# Altium PCB sommotor.PcbDoc (part 1 of 3) (continued)
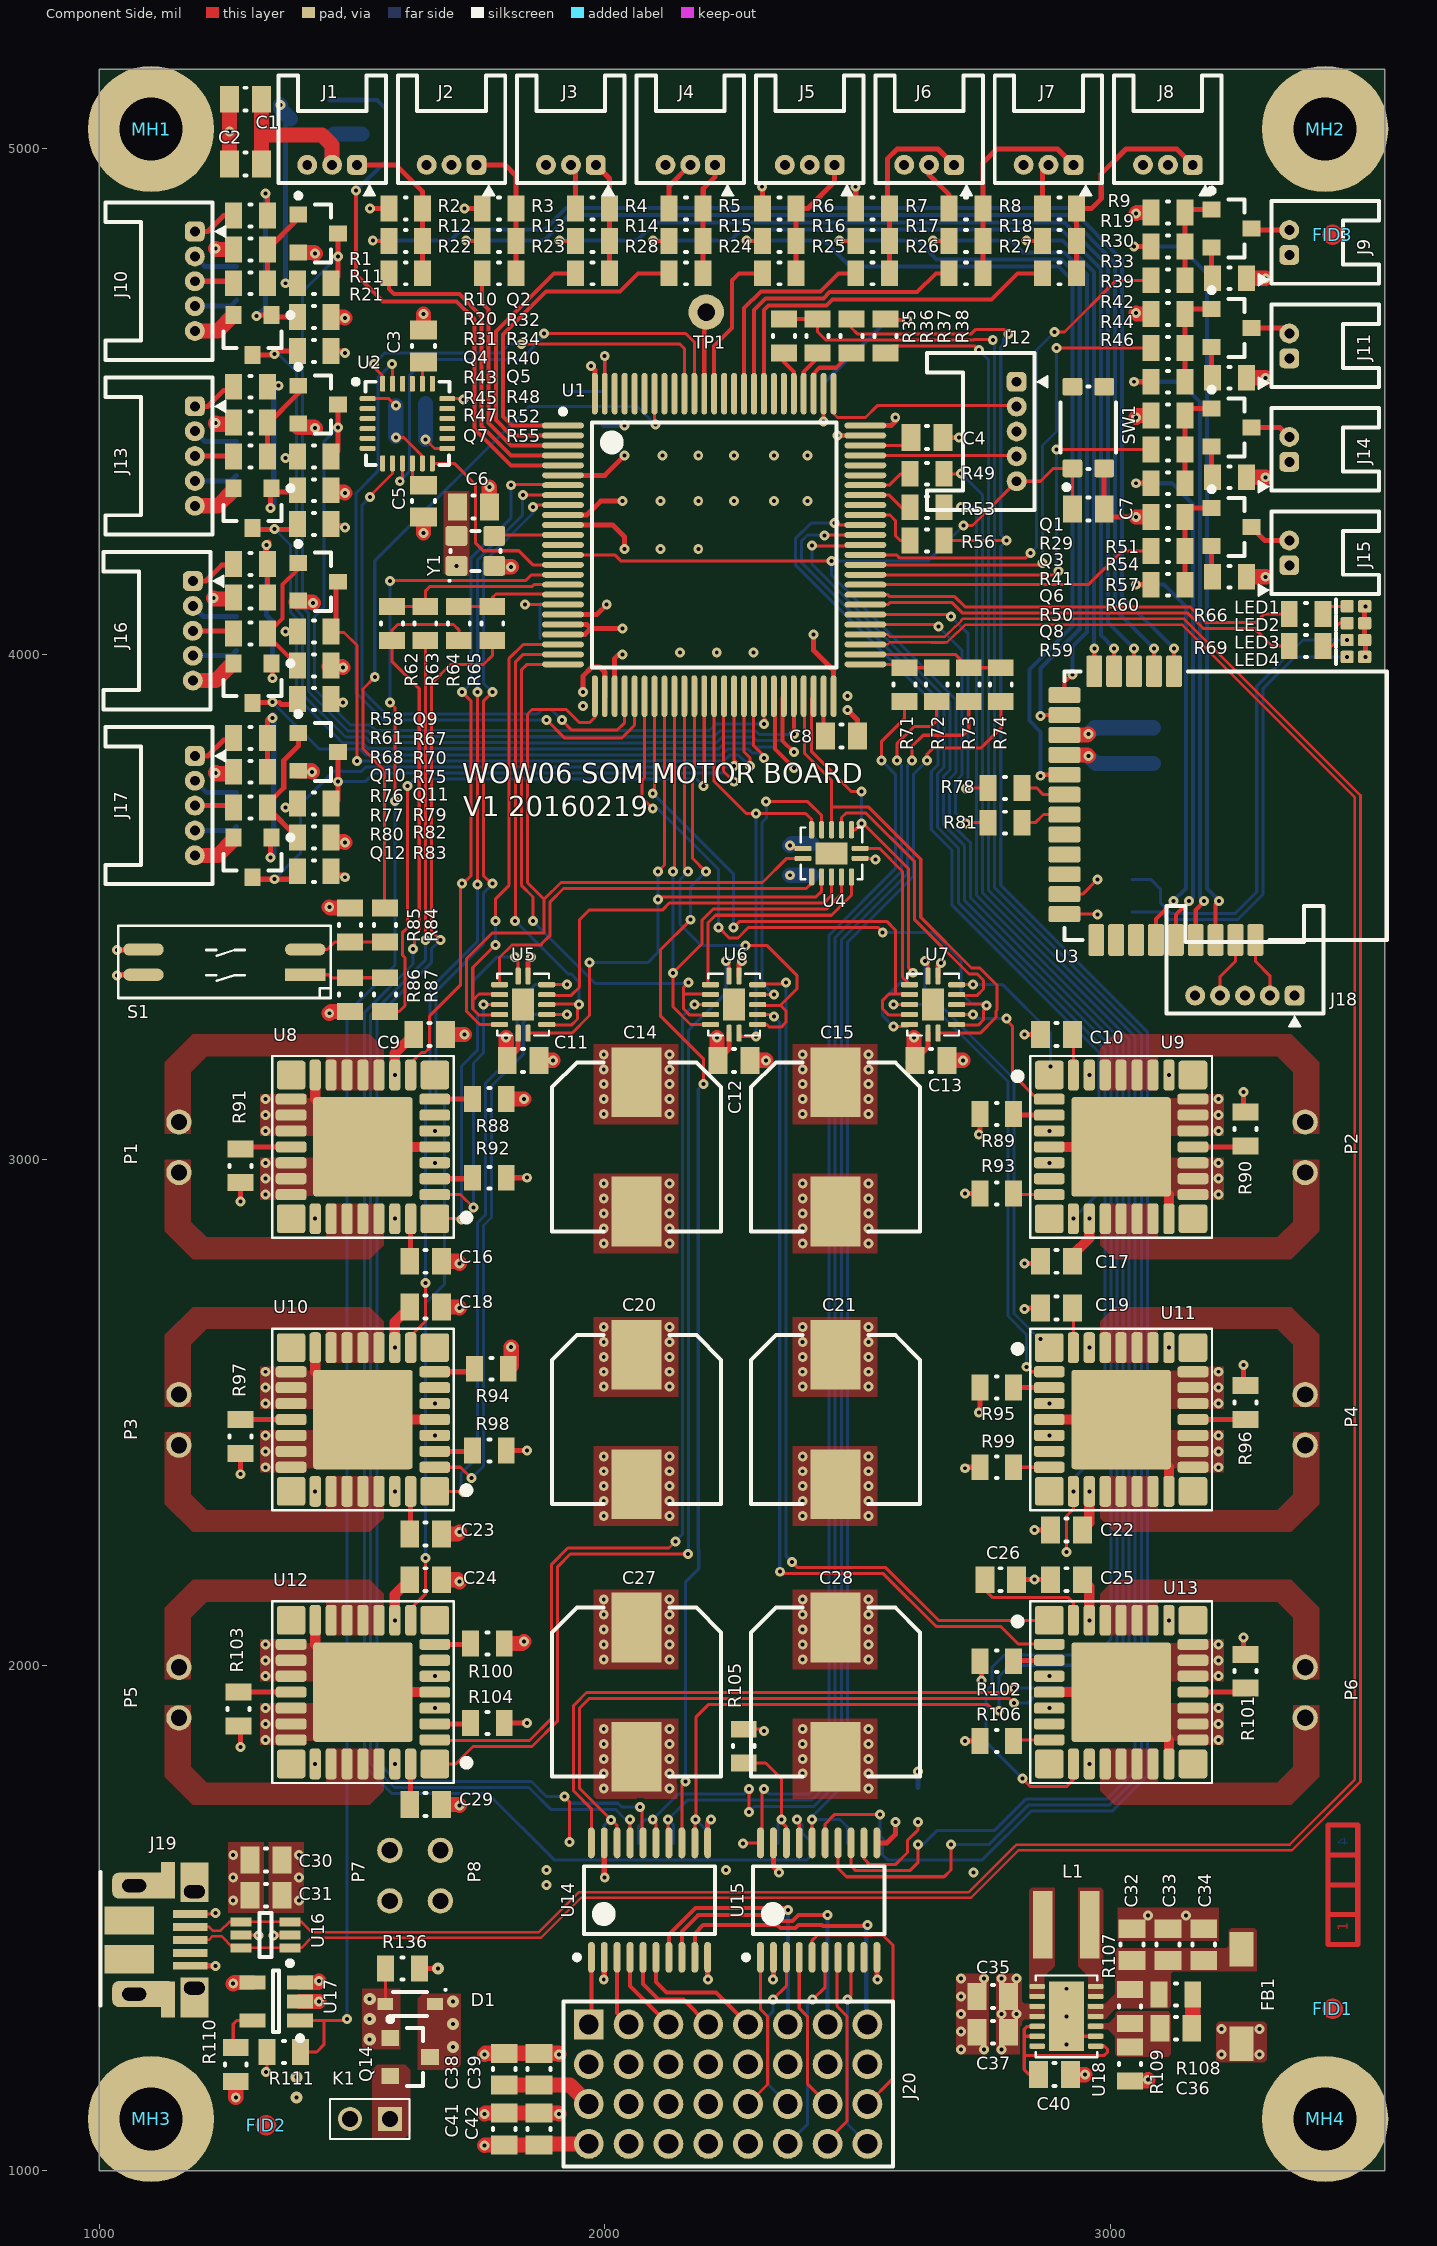
[diagram p0: Component Side view]
## Components (designator, comment, footprint, x,y, rotation, side; value= is the part's Value field where it differs from the comment) (continued)
C54 "CAP 100nF 6.3V 0805(2012)" CAPC0805(2012)100_L 2148.48,4242.13 r270 bottom (schematic designator C13)
C55 "CAP 1uF 6.3V 0805(2012)" CAPC0805(2012)100_L 2075.37,4242.13 r270 bottom (schematic designator C19)
C56 "CAP 100nF 6.3V 0805(2012)" CAPC0805(2012)100_L 2002.25,4242.13 r90 bottom (schematic designator C26)
C57 "CAP 100nF 6.3V 0805(2012)" CAPC0805(2012)100_L 2221.6,4070.87 r90 bottom (schematic designator C30)
C58 "CAP 100nF 6.3V 0805(2012)" CAPC0805(2012)100_L 2148.48,4070.87 r90 bottom (schematic designator C29)
C59 "CAP 100nF 6.3V 0805(2012)" CAPC0805(2012)100_L 2075.37,4070.87 r90 bottom (schematic designator C15)
C60 "CAP 1uF 6.3V 0805(2012)" CAPC0805(2012)100_L 2002.25,4070.87 r90 bottom (schematic designator C14)
C61 "CAP 1uF 6.3V 0805(2012)" CAPC0805(2012)100_L 2367.83,4070.87 r270 bottom (schematic designator C22)
C62 "CAP 1uF 6.3V 0805(2012)" CAPC0805(2012)100_L 2294.71,4070.87 r270 bottom (schematic designator C21)
C63 "CAP 1uF 6.3V 0805(2012)" CAPC0805(2012)100_L 2075.37,3946.85 r90 bottom (schematic designator C23)
C64 "CAP 100nF 6.3V 0805(2012)" CAPC0805(2012)100_L 2002.25,3946.85 r270 bottom (schematic designator C31)
C65 "CAP 1uF 6.3V 0805(2012)" CAPC0805(2012)100_L 2367.83,3937.01 r90 bottom (schematic designator C16)
C66 "CAP 100nF 6.3V 0805(2012)" CAPC0805(2012)100_L 2440.94,3937.01 r270 bottom (schematic designator C32)
C67 "CAP 100nF 6.3V 0805(2012)" CAPC0805(2012)100_N 3085.98,3819.33 r270 bottom (schematic designator C34)
C68 "CAP 10uF 6.3V 0805(2012)" CAPC0805(2012)100_N 3010,3819.33 r90 bottom (schematic designator C33)
C69 "CAP 100nF 6.3V 0805(2012)" CAPC0805(2012)100_L 2409.45,3594.49 r90 bottom (schematic designator C70)
D1 "BAT60A" INF-SOD323_V 1615,1330 r270 top
FB1 "BLM41PG750SN1L" MURA-BLM41-B35-CHIP-2_V2 3259.84,1344.76 r270 top
FID1 "FIDUCIAL" FIDUCIAL 3440,1320 r0 top
FID2 "FIDUCIAL" FIDUCIAL 1330,1090 r90 top
FID3 "FIDUCIAL" FIDUCIAL 3440,4830 r90 top
J1 "DF13-3P-1.25DS(20)" HRS_DF13-3P-1.25DS(20) 1460.63,5039.37 r180 top (schematic designator J4)
J2 "DF13-3P-1.25DS(20)" HRS_DF13-3P-1.25DS(20) 1696.85,5039.37 r180 top (schematic designator J5)
J3 "DF13-3P-1.25DS(20)" HRS_DF13-3P-1.25DS(20) 1933.07,5039.37 r180 top (schematic designator J6)
J4 "DF13-3P-1.25DS(20)" HRS_DF13-3P-1.25DS(20) 2169.29,5039.37 r180 top (schematic designator J7)
J5 "DF13-3P-1.25DS(20)" HRS_DF13-3P-1.25DS(20) 2405.51,5039.37 r180 top (schematic designator J12)
J6 "DF13-3P-1.25DS(20)" HRS_DF13-3P-1.25DS(20) 2641.73,5039.37 r180 top (schematic designator J18)
J7 "DF13-3P-1.25DS(20)" HRS_DF13-3P-1.25DS(20) 2877.95,5039.37 r180 top (schematic designator J19)
J8 "DF13-3P-1.25DS(20)" HRS_DF13-3P-1.25DS(20) 3114.17,5039.37 r180 top (schematic designator J20)
J9 "DF13-2P-1.25DS(20)" HRS_DF13-2P-1.25DS(20) 3425.2,4814.96 r90 top (schematic designator J8)
J10 "DF13-5P-1.25DS(20)" HRS_DF13-5P-1.25DS(20) 1188.98,4836.61 r270 top (schematic designator J13)
J11 "DF13-2P-1.25DS(20)" HRS_DF13-2P-1.25DS(20) 3425.2,4610.24 r90 top (schematic designator J9)
J12 "DF13-5P-1.25DS(20)" HRS_DF13-5P-1.25DS(20) 2814.96,4539.37 r270 top (schematic designator J2)
J13 "DF13-5P-1.25DS(20)" HRS_DF13-5P-1.25DS(20) 1188.98,4490.81 r270 top (schematic designator J14)
J14 "DF13-2P-1.25DS(20)" HRS_DF13-2P-1.25DS(20) 3425.2,4405.51 r90 top (schematic designator J10)
J15 "DF13-2P-1.25DS(20)" HRS_DF13-2P-1.25DS(20) 3425.2,4200.79 r90 top (schematic designator J11)
J16 "DF13-5P-1.25DS(20)" HRS_DF13-5P-1.25DS(20) 1185.04,4145.01 r270 top (schematic designator J15)
J17 "DF13-5P-1.25DS(20)" HRS_DF13-5P-1.25DS(20) 1188.98,3799.21 r270 top (schematic designator J16)
J18 "DF13-5P-1.25DS(20)" HRS_DF13-5P-1.25DS(20) 3365,3325 r180 top (schematic designator J3)
J19 "MICRO-USB" USB_MICRO_B_SMT 1068.9,1456.69 r270 top locked (schematic designator J1)
J20 "SQT-108-01-L-Q" SMTC-SQT-108-01-X-Q 1968.5,1289.37 r0 top locked (schematic designator J17)
K1 "JMPR2-2MM" JMPR2-2MM 1574.8,1102.36 r90 top
L1 "XFL4020-TBD" COILCRAFT_XFL4020 2913.38,1486.5 r90 top
LED1 "VLMS1500-GS08" LEDC0402(1005)_N-RED 3486.22,4095.12 r180 top (schematic designator LED2)
LED2 "VLMG1500-GS08" LEDC0402(1005)_N-GRN 3486.22,4061.75 r180 top (schematic designator LED1)
LED3 "VLMG1500-GS08" LEDC0402(1005)_N-GRN 3486.22,4028.37 r180 top
LED4 "VLMS1500-GS08" LEDC0402(1005)_N-RED 3486.22,3995 r180 top
MH1 "MOUNTING_HOLE125" HOLE_MTG_125 1102.36,5039.37 r0 top locked (schematic designator MH4)
MH2 "MOUNTING_HOLE125" HOLE_MTG_125 3425.2,5039.37 r0 top locked (schematic designator MH3)
MH3 "MOUNTING_HOLE125" HOLE_MTG_125 1102.36,1102.36 r0 top locked (schematic designator MH1)
MH4 "MOUNTING_HOLE125" HOLE_MTG_125 3425.2,1102.36 r0 top locked (schematic designator MH2)
P1 "HDR1x2_2.54" HDR1X2_2.54_180 1157.48,3074.8 r0 top
P2 "HDR1x2_2.54" HDR1X2_2.54_180 3385.83,2974.8 r180 top
P3 "HDR1x2_2.54" HDR1X2_2.54_180 1157.48,2535.43 r0 top
P4 "HDR1x2_2.54" HDR1X2_2.54_180 3385.83,2435.43 r180 top
P5 "HDR1x2_2.54" HDR1X2_2.54_180 1157.48,1996.06 r0 top
P6 "HDR1x2_2.54" HDR1X2_2.54_180 3385.83,1896.06 r180 top
P7 "HDR1x2_2.54" HDR1X2_2.54_180 1574.8,1633.86 r0 top
P8 "HDR1x2_2.54" HDR1X2_2.54_180 1674.8,1633.86 r0 top
Q1 "MMBT3904LT1G" ONSC-SOT-23-3-318-08_V 3240.16,4842.52 r0 top
Q2 "MMBT3904LT1G" ONSC-SOT-23-3-318-08_V 1433.07,4832.68 r0 top (schematic designator Q6)
Q3 "MMBT3904LT1G" ONSC-SOT-23-3-318-08_V 3240.16,4645.67 r0 top (schematic designator Q2)
Q4 "MMBT3904LT1G" ONSC-SOT-23-3-318-08_V 1303.15,4631.89 r270 top (schematic designator Q5)
Q5 "MMBT3904LT1G" ONSC-SOT-23-3-318-08_V 1433.07,4494.09 r0 top (schematic designator Q8)
Q6 "MMBT3904LT1G" ONSC-SOT-23-3-318-08_V 3240.16,4448.82 r0 top (schematic designator Q3)
Q7 "MMBT3904LT1G" ONSC-SOT-23-3-318-08_V 1303.15,4289.37 r270 top
Q8 "MMBT3904LT1G" ONSC-SOT-23-3-318-08_V 3240.16,4251.97 r0 top (schematic designator Q4)
Q9 "MMBT3904LT1G" ONSC-SOT-23-3-318-08_V 1433.07,4143.7 r0 top (schematic designator Q10)
Q10 "MMBT3904LT1G" ONSC-SOT-23-3-318-08_V 1303.15,3942.91 r270 top (schematic designator Q9)
Q11 "MMBT3904LT1G" ONSC-SOT-23-3-318-08_V 1433.07,3807.09 r0 top (schematic designator Q12)
Q12 "MMBT3904LT1G" ONSC-SOT-23-3-318-08_V 1303.15,3598.43 r270 top (schematic designator Q11)
Q13 "BSS84LT1G" ONSC-SOT-23-3-318-08_V 1417.32,5059.06 r180 bottom
Q14 "DMG2305UX" ONSC-SOT-23-3-318-08_V 1615,1225 r0 top
R1 "22K 1% 0805(2012)" RESC0805(2012)_L 1606.3,4882.32 r180 top (schematic designator R37)
R2 "22K 1% 0805(2012)" RESC0805(2012)_L 1791.06,4882.32 r180 top (schematic designator R40)
R3 "22K 1% 0805(2012)" RESC0805(2012)_L 1975.82,4882.32 r180 top (schematic designator R43)
R4 "22K 1% 0805(2012)" RESC0805(2012)_L 2160.57,4882.32 r180 top (schematic designator R46)
R5 "22K 1% 0805(2012)" RESC0805(2012)_L 2345.33,4882.32 r180 top (schematic designator R53)
R6 "22K 1% 0805(2012)" RESC0805(2012)_L 2530.09,4882.32 r180 top (schematic designator R133)
R7 "22K 1% 0805(2012)" RESC0805(2012)_L 2714.85,4882.32 r180 top (schematic designator R136)
R8 "22K 1% 0805(2012)" RESC0805(2012)_L 2899.61,4882.32 r180 top (schematic designator R139)
R9 "10K 1% 0805(2012)" RESC0805(2012)_L 3114.17,4874.02 r0 top (schematic designator R58)
R10 "10K 1% 0805(2012)" RESC0805(2012)_L 1299.21,4868.11 r0 top (schematic designator R68)
R11 "" RESC0805(2012)_L 1606.3,4818.13 r180 top (schematic designator R36)
R12 "" RESC0805(2012)_L 1791.06,4818.13 r180 top (schematic designator R39)
R13 "" RESC0805(2012)_L 1975.82,4818.13 r180 top (schematic designator R42)
R14 "" RESC0805(2012)_L 2160.57,4818.13 r180 top (schematic designator R45)
R15 "" RESC0805(2012)_L 2345.33,4818.13 r180 top (schematic designator R48)
R16 "" RESC0805(2012)_L 2530.09,4818.13 r180 top (schematic designator R132)
R17 "" RESC0805(2012)_L 2714.85,4818.13 r180 top (schematic designator R135)
R18 "" RESC0805(2012)_L 2899.61,4818.13 r180 top (schematic designator R138)
R19 "3K3 1% 0805(2012)" RESC0805(2012)_L 3114.17,4807.09 r0 top (schematic designator R54)
R20 "3K3 1% 0805(2012)" RESC0805(2012)_L 1299.21,4801.18 r180 top (schematic designator R72)
R21 "" RESC0805(2012)_L 1606.3,4753.94 r180 top (schematic designator R35)
R22 "" RESC0805(2012)_L 1791.06,4753.94 r180 top (schematic designator R38)
R23 "" RESC0805(2012)_L 1975.82,4753.94 r180 top (schematic designator R41)
R24 "" RESC0805(2012)_L 2345.33,4753.94 r180 top (schematic designator R47)
R25 "" RESC0805(2012)_L 2530.09,4753.94 r180 top (schematic designator R131)
R26 "" RESC0805(2012)_L 2714.85,4753.94 r180 top (schematic designator R134)
R27 "" RESC0805(2012)_L 2899.61,4753.94 r180 top (schematic designator R137)
R28 "" RESC0805(2012)_L 2160.57,4753.94 r180 top (schematic designator R44)
R29 "220R 1% 0805(2012)" RESC0805(2012)_L 3236.22,4744.09 r0 top (schematic designator R62)
R30 "3K3 1% 0805(2012)" RESC0805(2012)_L 3114.17,4740.16 r0 top (schematic designator R49)
R31 "10K 1% 0805(2012)" RESC0805(2012)_L 1299.21,4734.25 r0 top (schematic designator R69)
R32 "10K 1% 0805(2012)" RESC0805(2012)_L 1425.2,4734.25 r0 top (schematic designator R67)
R33 "10K 1% 0805(2012)" RESC0805(2012)_L 3114.17,4673.23 r0 top (schematic designator R59)
R34 "3K3 1% 0805(2012)" RESC0805(2012)_L 1425.2,4667.32 r0 top (schematic designator R70)
R35 "" RESC0805(2012)_L 2354.33,4629.92 r90 top (schematic designator R19)
R36 "" RESC0805(2012)_L 2421.26,4629.92 r90 top (schematic designator R18)
R37 "" RESC0805(2012)_L 2488.19,4629.92 r90 top (schematic designator R17)
R38 "" RESC0805(2012)_L 2555.12,4629.92 r270 top (schematic designator R6)
R39 "3K3 1% 0805(2012)" RESC0805(2012)_L 3114.17,4606.3 r0 top (schematic designator R50)
R40 "10K 1% 0805(2012)" RESC0805(2012)_L 1425.2,4600.39 r0 top (schematic designator R66)
R41 "220R 1% 0805(2012)" RESC0805(2012)_L 3236.22,4547.24 r0 top (schematic designator R63)
R42 "3K3 1% 0805(2012)" RESC0805(2012)_L 3114.17,4539.37 r0 top (schematic designator R55)
R43 "10K 1% 0805(2012)" RESC0805(2012)_L 1299.21,4529.53 r0 top (schematic designator R81)
R44 "10K 1% 0805(2012)" RESC0805(2012)_L 3114.17,4472.44 r0 top (schematic designator R60)
R45 "3K3 1% 0805(2012)" RESC0805(2012)_L 1299.21,4458.66 r180 top (schematic designator R85)
R46 "3K3 1% 0805(2012)" RESC0805(2012)_L 3114.17,4405.51 r0 top (schematic designator R51)
R47 "10K 1% 0805(2012)" RESC0805(2012)_L 1299.21,4391.73 r0 top (schematic designator R82)
R48 "10K 1% 0805(2012)" RESC0805(2012)_L 1425.2,4391.73 r0 top (schematic designator R80)
R49 "" RESC0805(2012)_L 2637.8,4357.28 r0 top (schematic designator R10)
R50 "220R 1% 0805(2012)" RESC0805(2012)_L 3236.22,4350.39 r0 top (schematic designator R64)
R51 "3K3 1% 0805(2012)" RESC0805(2012)_L 3114.17,4338.58 r0 top (schematic designator R56)
R52 "3K3 1% 0805(2012)" RESC0805(2012)_L 1425.2,4324.8 r0 top (schematic designator R83)
R53 "" RESC0805(2012)_L 2637.8,4291.14 r0 top (schematic designator R8)
R54 "10K 1% 0805(2012)" RESC0805(2012)_L 3114.17,4271.65 r0 top (schematic designator R61)
R55 "10K 1% 0805(2012)" RESC0805(2012)_L 1425.2,4257.87 r0 top (schematic designator R79)
R56 "" RESC0805(2012)_L 2637.8,4225 r0 top (schematic designator R140)
R57 "3K3 1% 0805(2012)" RESC0805(2012)_L 3114.17,4204.72 r0 top (schematic designator R52)
R58 "10K 1% 0805(2012)" RESC0805(2012)_L 1299.21,4179.13 r0 top (schematic designator R94)
R59 "220R 1% 0805(2012)" RESC0805(2012)_L 3236.22,4153.54 r0 top (schematic designator R65)
R60 "3K3 1% 0805(2012)" RESC0805(2012)_L 3114.17,4137.8 r0 top (schematic designator R57)
R61 "3K3 1% 0805(2012)" RESC0805(2012)_L 1299.21,4112.2 r180 top (schematic designator R96)
R62 "" RESC0805(2012)_L 1578.74,4061.02 r270 top (schematic designator R14)
R63 "" RESC0805(2012)_L 1645.01,4061.02 r270 top (schematic designator R13)
R64 "" RESC0805(2012)_L 1711.29,4061.02 r270 top (schematic designator R15)
R65 "" RESC0805(2012)_L 1777.56,4061.02 r270 top (schematic designator R16)
R66 "" RESC0805(2012)_L 3387.8,4080.12 r180 top (schematic designator R4)
R67 "10K 1% 0805(2012)" RESC0805(2012)_L 1425.2,4045.28 r0 top (schematic designator R91)
R68 "10K 1% 0805(2012)" RESC0805(2012)_L 1299.21,4041.34 r0 top (schematic designator R95)
R69 "" RESC0805(2012)_L 3387.8,4016.38 r180 top (schematic designator R3)
R70 "3K3 1% 0805(2012)" RESC0805(2012)_L 1425.2,3978.35 r0 top (schematic designator R98)
R71 "" RESC0805(2012)_L 2593.39,3940.08 r90 top (schematic designator R12)
R72 "" RESC0805(2012)_L 2656.8,3940.08 r90 top (schematic designator R7)
R73 "" RESC0805(2012)_L 2720.21,3940.08 r90 top (schematic designator R9)
R74 "" RESC0805(2012)_L 2783.62,3940.08 r90 top (schematic designator R11)
R75 "10K 1% 0805(2012)" RESC0805(2012)_L 1425.2,3911.42 r0 top (schematic designator R90)
R76 "10K 1% 0805(2012)" RESC0805(2012)_L 1299.21,3834.65 r0 top (schematic designator R101)
R77 "3K3 1% 0805(2012)" RESC0805(2012)_L 1299.21,3767.72 r180 top (schematic designator R107)
R78 "" RESC0805(2012)_L 2791.93,3735.87 r180 top (schematic designator R33)
R79 "10K 1% 0805(2012)" RESC0805(2012)_L 1425.2,3704.72 r0 top (schematic designator R100)
R80 "10K 1% 0805(2012)" RESC0805(2012)_L 1299.21,3696.85 r0 top (schematic designator R102)
R81 "" RESC0805(2012)_L 2791.93,3666.97 r180 top (schematic designator R34)
R82 "3K3 1% 0805(2012)" RESC0805(2012)_L 1425.2,3637.8 r0 top (schematic designator R109)
R83 "10K 1% 0805(2012)" RESC0805(2012)_L 1425.2,3570.87 r0 top (schematic designator R99)
R84 "10K 1% 0805(2012)" RESC0805(2012)_L 1564.96,3464.57 r90 top (schematic designator R27)
R85 "10K 1% 0805(2012)" RESC0805(2012)_L 1496.06,3464.57 r270 top (schematic designator R24)
R86 "10K 1% 0805(2012)" RESC0805(2012)_L 1496.06,3326.77 r90 top (schematic designator R23)
R87 "10K 1% 0805(2012)" RESC0805(2012)_L 1564.96,3326.77 r270 top (schematic designator R26)
R88 "10K 1% 0805(2012)" RESC0805(2012)_L 1771.65,3120.08 r180 top (schematic designator R77)
R89 "10K 1% 0805(2012)" RESC0805(2012)_L 2775.59,3090.55 r180 top (schematic designator R76)
R90 "10K 1% 0805(2012)" RESC0805(2012)_L 3267.72,3061.02 r90 top (schematic designator R74)
R91 "10K 1% 0805(2012)" RESC0805(2012)_L 1279.53,2988.19 r270 top (schematic designator R73)
R92 "10K 1% 0805(2012)" RESC0805(2012)_L 1771.65,2964.57 r0 top (schematic designator R75)
R93 "10K 1% 0805(2012)" RESC0805(2012)_L 2775.59,2933.07 r0 top (schematic designator R78)
R94 "10K 1% 0805(2012)" RESC0805(2012)_L 1775.59,2586.61 r180 top (schematic designator R92)
R95 "10K 1% 0805(2012)" RESC0805(2012)_L 2775.59,2549.21 r180 top (schematic designator R89)
R96 "10K 1% 0805(2012)" RESC0805(2012)_L 3267.72,2519.68 r90 top (schematic designator R87)
R97 "10K 1% 0805(2012)" RESC0805(2012)_L 1279.53,2452.76 r270 top (schematic designator R86)
R98 "10K 1% 0805(2012)" RESC0805(2012)_L 1771.65,2425.2 r0 top (schematic designator R88)
R99 "10K 1% 0805(2012)" RESC0805(2012)_L 2775.59,2391.73 r0 top (schematic designator R93)
R100 "10K 1% 0805(2012)" RESC0805(2012)_L 1767.72,2043.31 r180 top (schematic designator R110)
R101 "10K 1% 0805(2012)" RESC0805(2012)_L 3267.72,1988.19 r90 top (schematic designator R104)
R102 "10K 1% 0805(2012)" RESC0805(2012)_L 2775.59,2007.87 r180 top (schematic designator R106)
R103 "10K 1% 0805(2012)" RESC0805(2012)_L 1275.59,1913.39 r270 top
R104 "10K 1% 0805(2012)" RESC0805(2012)_L 1767.72,1885.83 r0 top (schematic designator R105)
R105 "" RESC0805(2012)_L 2275,1840 r270 top (schematic designator R2)
R106 "10K 1% 0805(2012)" RESC0805(2012)_L 2775.59,1850.39 r0 top (schematic designator R111)
R107 "" RESC0805(2012)_L 3039.37,1325.08 r90 top (schematic designator R127)
R108 "68K 5% 0805(2012)" RESC0805(2012)_L 3129.92,1348.7 r180 top (schematic designator R128)
R109 "10K 1% 0805(2012)" RESC0805(2012)_L 3039.37,1210.91 r90 top (schematic designator R129)
R110 "10K 1% 0805(2012)" RESC0805(2012)_L 1270,1210 r90 top (schematic designator R130)
R111 "10K 1% 0805(2012)" RESC0805(2012)_L 1365,1235 r0 top (schematic designator R126)
R112 "10K 1% 0805(2012)" RESC0805(2012)_L 1519.68,5062.99 r90 bottom
R113 "220R 1% 0805(2012)" RESC0805(2012)_L 1271.65,4734.25 r90 bottom (schematic designator R71)
R114 "Jumper 0805(2012)" RESC0805(2012)_L 1998.03,4486.22 r90 bottom (schematic designator R25)
R115 "Jumper 0805(2012)" RESC0805(2012)_L 1929.13,4486.22 r270 bottom (schematic designator R22)
R116 "220R 1% 0805(2012)" RESC0805(2012)_L 1271.65,4387.8 r90 bottom (schematic designator R84)
R117 "Jumper 0805(2012)" RESC0805(2012)_L 1905.51,4100.39 r180 bottom (schematic designator R21)
R118 "220R 1% 0805(2012)" RESC0805(2012)_L 1271.65,4041.34 r90 bottom (schematic designator R97)
R119 "Jumper 0805(2012)" RESC0805(2012)_L 1905.51,4031.5 r0 bottom (schematic designator R20)
R120 "220R 1% 0805(2012)" RESC0805(2012)_L 1271.65,3692.91 r90 bottom (schematic designator R108)
R121 "" RESC0805(2012)_L 3010,3555 r180 bottom (schematic designator R28)
R122 "" RESC0805(2012)_L 3010,3490 r180 bottom (schematic designator R29)
R123 "10K 1% 0805(2012)" RESC0805(2012)_L 2620,1725 r90 bottom (schematic designator R125)
R124 "10K 1% 0805(2012)" RESC0805(2012)_L 2687.01,1614.17 r90 bottom (schematic designator R123)
R125 "10K 1% 0805(2012)" RESC0805(2012)_L 2618.11,1614.17 r90 bottom (schematic designator R124)
R126 "10K 1% 0805(2012)" RESC0805(2012)_L 2549.21,1614.17 r90 bottom (schematic designator R122)
R127 "10K 1% 0805(2012)" RESC0805(2012)_L 2480.31,1614.17 r90 bottom (schematic designator R121)
R128 "10K 1% 0805(2012)" RESC0805(2012)_L 2411.42,1614.17 r90 bottom (schematic designator R120)
R129 "10K 1% 0805(2012)" RESC0805(2012)_L 2342.52,1614.17 r90 bottom (schematic designator R119)
R130 "10K 1% 0805(2012)" RESC0805(2012)_L 2273.62,1614.17 r90 bottom (schematic designator R118)
R131 "10K 1% 0805(2012)" RESC0805(2012)_L 2204.72,1614.17 r90 bottom (schematic designator R117)
R132 "10K 1% 0805(2012)" RESC0805(2012)_L 2135.83,1614.17 r90 bottom (schematic designator R116)
R133 "10K 1% 0805(2012)" RESC0805(2012)_L 2066.93,1614.17 r90 bottom (schematic designator R115)
R134 "10K 1% 0805(2012)" RESC0805(2012)_L 1998.03,1614.17 r90 bottom (schematic designator R113)
R135 "10K 1% 0805(2012)" RESC0805(2012)_L 1929.13,1614.17 r90 bottom (schematic designator R114)
R136 "10K 1% 0805(2012)" RESC0805(2012)_L 1600,1400 r0 top
S1 "SW-DIP4-SMD" SO4SW 1407.48,3366.14 r180 top
SW1 "KMR211GLFS" KMR2 2956.69,4448.82 r90 top
TP1 "Various test points" TESTPOINT_035HOLE 2200.79,4677.17 r90 top (schematic designator TP3)
U1 "STM32F417VGT6" STM-LQFP100_M 2216.54,4216.54 r0 top
U2 "MPU-6000" QFN-ML24_N_NOPAD 1609.74,4456.69 r0 top (schematic designator U3)
U3 "KNRF51822_B40" MOD_KnRF51822_B40 3228.35,3700.79 r270 top locked (schematic designator U4)
U4 "Hex Inverter" QFN50P300X250X100-15T110X160N 2448.82,3606.3 r0 top (schematic designator U16)
U5 "Quad 2-Input AND Gate" QFN50P300X250X100-15T110X160N 1838.58,3307.09 r90 top (schematic designator U15)
U6 "Quad 2-Input AND Gate" QFN50P300X250X100-15T110X160N 2255.91,3307.09 r90 top (schematic designator U17)
U7 "Quad 2-Input AND Gate" QFN50P300X250X100-15T110X160N 2649.61,3307.09 r90 top (schematic designator U18)
U8 "MC33926" FREESCALE_32PQFN 1521.65,3025.59 r180 top (schematic designator U5)
U9 "MC33926" FREESCALE_32PQFN 3021.65,3025.59 r0 top (schematic designator U6)
U10 "MC33926" FREESCALE_32PQFN 1521.65,2486.22 r180 top (schematic designator U7)
U11 "MC33926" FREESCALE_32PQFN 3021.65,2486.22 r0 top (schematic designator U8)
U12 "MC33926" FREESCALE_32PQFN 1521.65,1946.85 r180 top (schematic designator U9)
U13 "MC33926" FREESCALE_32PQFN 3021.65,1946.85 r0 top (schematic designator U10)
U14 "ADG3300BRUZ" ADI-RU-20_N 2088.58,1535.43 r90 top (schematic designator U11)
U15 "ADG3300BRUZ" ADI-RU-20_N 2423.23,1535.43 r90 top (schematic designator U12)
U16 "TPD4E001DCKR" DCK0006A_M 1328.74,1466.54 r180 top (schematic designator U2)
U17 "MCP73811T-420I/OT" SOT-23-OT5_M 1350,1335 r180 top (schematic designator U14)
U18 "TPS63020" VSON14 2913.38,1305.39 r90 top (schematic designator U13)
Y1 "8MHz" OSC_DFN165P250X90-4N 1744.09,4204.72 r0 top

## Footprints (in the part's own frame and the unit in brackets; to place one, negate y for a bottom-side part, rotate by r counter-clockwise, add the part's x,y. Pads: shape width x height; smd on the part's side, far side on the other; paste and mask are expansions set on the pad)
ADI-RU-20_N [mm] "SOP, 20-Leads, Body 6.5x4.4mm, Pitch 0.65mm, IPC Medium Density"
  oval 1.55x0.35 smd: 1(-2.875,2.925) 2(-2.875,2.275) 3(-2.875,1.625) 4(-2.875,0.975) 5(-2.875,0.325) 6(-2.875,-0.325) 7(-2.875,-0.975) 8(-2.875,-1.625) 9(-2.875,-2.275) 10(-2.875,-2.925) 11(2.875,-2.925) 12(2.875,-2.275) 13(2.875,-1.625) 14(2.875,-0.975) 15(2.875,-0.325) 16(2.875,0.325) 17(2.875,0.975) 18(2.875,1.625) 19(2.875,2.275) 20(2.875,2.925)
  silkscreen extent -3,-3.3 1.7,3.77, body extent -2.25,-3.3 2.25,3.3, height 1.2
CAPC0805(2012)100_L [mm] "Chip Capacitor, Body 2.0x1.2mm, Height 1.0mm, IPC High Density"
  rect 0.95x1.35 smd: 1(-0.8,0) 2(0.8,0)
  silkscreen extent -0.05,-0.58 0.05,0.58, body extent -1.1,-0.72 1.1,0.72, height 1
CAPC0805(2012)100_N [mm] "Chip Capacitor, Body 2.0x1.2mm, Height 1.0mm, IPC Medium Density"
  rect 1.15x1.45 smd: 1(-0.9,0) 2(0.9,0)
  silkscreen extent -0.05,-0.62 0.05,0.63, body extent -1.1,-0.72 1.1,0.73, height 1
CAPC0805(2012)145_L [mm] "Chip Capacitor, Body 2.0x1.2mm, Height 1.45mm, IPC High Density"
  rect 0.95x1.35 smd: 1(-0.8,0) 2(0.8,0)
  silkscreen extent -0.05,-0.58 0.05,0.58, body extent -1.1,-0.72 1.1,0.72, height 1.45
COILCRAFT_XFL4020 [mm]
  rect 3.4x0.98 smd: 1(0,1.185) 2(0,-1.185)
  body extent -2.15,-2.15 2.15,2.15, height 2.01
DCK0006A_M [mm] "SOT23, 6-Leads, Body 2.15x1.4mm, Pitch 0.65mm, IPC Low Density"
  rect 1.05x0.45 smd: 1(-1.225,0.65) 2(-1.225,0) 3(-1.225,-0.65) 4(1.225,-0.65) 5(1.225,0) 6(1.225,0.65)
  silkscreen extent -1.35,-1.1 0.3,1.55, body extent -1.14,-1 1.14,1, height 0.94
FIDUCIAL [mil]
  Component Side region: 0,20 7.65,18.48 14.14,14.14 18.48,7.65 20,0 20,0 18.43,-7.58 14.08,-13.98 7.61,-18.23 0,-19.68 0,-19.68 -7.53,-18.19 -13.92,-13.92 -18.19,-7.53 -19.68,0 -19.68,0 -18.23,7.61 -13.98,14.08 -7.58,18.43 0,20
FREESCALE_32PQFN [mm] "Quad Flat No-Lead (QFN with Tab); 32 pin, 8.15 mm L X 8.15 mm W X 2.20 mm H body"
  rrect19% 1.44x1.44 smd: 1(-3.61,3.61) 9(-3.61,-3.61) 17(3.61,-3.61) 25(3.61,3.61)
  rrect50% 1.55x0.56 smd: 2(-3.61,2.4) 3(-3.61,1.6) 4(-3.61,0.8) 5(-3.61,0) 6(-3.61,-0.8) 7(-3.61,-1.6) 8(-3.61,-2.4) 18(3.61,-2.4) 19(3.61,-1.6) 20(3.61,-0.8) 21(3.61,0) 22(3.61,0.8) 23(3.61,1.6) 24(3.61,2.4)
  rrect50% 0.56x1.55 smd: 10(-2.4,-3.61) 11(-1.6,-3.61) 12(-0.8,-3.61) 13(0,-3.61) 14(0.8,-3.61) 15(1.6,-3.61) 16(2.4,-3.61) 26(2.4,3.61) 27(1.6,3.61) 28(0.8,3.61) 29(0,3.61) 30(-0.8,3.61) 31(-1.6,3.61) 32(-2.4,3.61)
  rrect6% 5x5 smd paste-5 mask+0: EP(0,0)
  silkscreen extent -5.38,-4.56 4.56,4.56, body extent -4.53,-4.08 3.62,4.08, height 2.2
HDR1X2_2.54_180 [mil]
  round 50 hole 32: 1(0,0) 2(0,-100)
  body extent -49,-150 49,50, height 323
HOLE_MTG_125 [mil]
  round 250 hole 125: 1(0,0)
HRS_DF13-2P-1.25DS(20) [mm]
  rrect50% 1x1 hole 0.5: 1(-0.623,1.8)
  round 1 hole 0.5: 2(0.627,1.8)
  silkscreen extent -2.16,-2.7 2.08,3.35, body extent -2.08,-2.7 2.08,2.7, height 3.61
HRS_DF13-3P-1.25DS(20) [mm]
  rrect50% 1x1 hole 0.5: 1(-1.25,1.8)
  round 1 hole 0.5: 2(0,1.8) 3(1.25,1.8)
  silkscreen extent -2.7,-2.7 2.7,3.35, body extent -2.7,-2.7 2.7,2.7, height 3.61
HRS_DF13-5P-1.25DS(20) [mm]
  rrect50% 1x1 hole 0.5: 1(0,0)
  round 1 hole 0.5: 2(1.25,0) 3(2.5,0) 4(3.75,0) 5(5,0)
  silkscreen extent -1.45,-4.5 6.45,1.55, body extent -1.45,-4.5 6.45,0.9, height 3.6
INF-SOD323_V [mm] "SOD, 2-Leads, Body 1.7x1.25 mm"
  rect 0.6x0.8 smd: 1(0,1.25) 2(0,-1.25)
  silkscreen extent -0.76,-0.85 0.6,1.83, body extent -0.63,-0.85 0.63,0.85, height 1.1
JMPR2-2MM [mm] "2 PIN JUMPER 2MM PITCH"
  rect 1.2x1.2 hole 0.8: 1(0,0)
  round 1.2 hole 0.8: 2(0,2)
  silkscreen extent -1,-1 1,3, body extent -1,-1.01 1,3, height 7.62
KMR2 [mm]
  rrect25% 0.9x1 smd: 1(-2.05,0.8) 2(2.05,0.8) 3(-2.05,-0.8) 4(2.05,-0.8)
  silkscreen extent -3.12,-1.4 2.05,1.4, body extent -2.05,-1.4 2.05,1.4, height 1.9
LEDC0402(1005)_N-GRN [mm]
  rrect25% 0.66x0.62 smd: A(-0.44,0) K(0.44,0)
  silkscreen extent 1,-0.35 1,0.35, body extent -0.5,-0.25 0.51,0.25, height 0.45
LEDC0402(1005)_N-RED [mm]
  rrect25% 0.66x0.62 smd: A(-0.44,0) K(0.44,0)
  silkscreen extent 1,-0.35 1,0.35, body extent -0.5,-0.25 0.51,0.25, height 0.45
MOD_KnRF51822_B40 [mm]
  rrect25% 1.6x0.8 smd: 1(-6.75,-2.6) 2(-6.75,-3.6) 3(-6.75,-4.6) 4(-6.75,-5.6) 5(-6.75,-6.6) 18(6.75,-6.5) 19(6.75,-5.5) 20(6.75,-4.5) 21(6.75,-3.5) 22(6.75,-2.5) 23(6.75,-1.5) 24(6.75,-0.5) 25(6.75,0.5) 26(6.75,1.5)
  rrect25% 0.8x1.6 smd: 6(-5.55,-8.1) 7(-4.55,-8.1) 8(-3.55,-8.1) 9(-2.55,-8.1) 10(-1.55,-8.1) 11(-0.55,-8.1) 12(0.45,-8.1) 13(1.45,-8.1) 14(2.45,-8.1) 15(3.45,-8.1) 16(4.45,-8.1) 17(5.45,-8.1)
  silkscreen extent -6.75,-8.1 6.75,8.1, body extent -6.75,-8.1 6.75,8.1, height 1.67
MURA-BLM41-B35-CHIP-2_V2 [mm] "Chip Ferrite Bead, 2-Leads, Body 4.5x1.6mm, Height 1.8mm, 35/70um Land Pad Thickness, 3.5A Rated Current"
  rect 1.75x1.2 smd: 1(-2.375,0) 2(2.375,0)
  body extent -2.25,-0.8 2.25,0.8, height 1.8
NIC-CAPA2-8X10_V [mm] "Aluminum Electrolytic Capacitor, Diameter 8mm, Height 10.8mm, Pitch 6.5mm"
  rect 3.5x2.5 smd: 1(-3.25,0) 2(3.25,0)
  silkscreen extent -4.25,-4.25 4.25,4.25, body extent -3.99,-3.97 3.99,4, height 10.8
ONSC-SOT-23-3-318-08_V [mm] "SOT23, 3-Leads, Body 2.92x1.3mm, Pitch 0.95mm"
  rect 0.9x0.8 smd: 1(-1,0.95) 2(-1,-0.95) 3(1,0)
  silkscreen extent -1.12,-1.46 0.65,2.02, body extent -0.65,-1.46 0.65,1.46, height 1.11
OSC_DFN165P250X90-4N [mm]
  rrect25% 1.1x1 smd: 1(-0.95,-0.75) 2(0.95,-0.75) 3(0.95,0.75) 4(-0.95,0.75)
  silkscreen extent -1.35,-1.55 1.25,1, body extent -1.25,-1 1.25,1, height 0.82
QFN50P300X250X100-15T110X160N [mm] "Quad Flat No-Lead (QFN with Tab), 0.50 mm pitch; rect., 5 pin X 2 pin, 3.00 mm L X 2.50 mm W X 1.00 mm H body"
  rrect54% 0.86x0.26 smd: 1(-1.435,-0.25) 7(1.435,-0.25) 8(1.435,0.25) 14(-1.435,0.25)
  rrect54% 0.26x0.86 smd: 2(-1,-1.185) 3(-0.5,-1.185) 4(0,-1.185) 5(0.5,-1.185) 6(1,-1.185) 9(1,1.185) 10(0.5,1.185) 11(0,1.185) 12(-0.5,1.185) 13(-1,1.185)
  rect 1.6x1.1 smd paste-1.6 mask+0: EP(0,0)
  silkscreen extent -1.55,-1.3 1.55,1.3, body extent -1.55,-1.3 1.55,1.3, height 1
QFN-ML24_N_NOPAD [mm]
  rrect50% 0.8x0.25 smd: 1(-2,1.25) 2(-2,0.75) 3(-2,0.25) 4(-2,-0.25) 5(-2,-0.75) 6(-2,-1.25) 13(2,-1.25) 14(2,-0.75) 15(2,-0.25) 16(2,0.25) 17(2,0.75) 18(2,1.25)
  rrect50% 0.25x0.8 smd: 7(-1.25,-2) 8(-0.75,-2) 9(-0.25,-2) 10(0.25,-2) 11(0.75,-2) 12(1.25,-2) 19(1.25,2) 20(0.75,2) 21(0.25,2) 22(-0.25,2) 23(-0.75,2) 24(-1.25,2)
  silkscreen extent -2.72,-2.07 2.1,2.22, body extent -2.01,-2.01 2.01,2.01, height 0.88
RESC0805(2012)_L [mm] "Chip Resistor, Body 2.0x1.3mm, IPC High Density"
  rect 0.85x1.3 smd: 1(-0.85,0) 2(0.85,0)
  silkscreen extent -0.05,-0.55 0.05,0.55, body extent -1.1,-0.67 1.1,0.68, height 0.7
SMTC-SQT-108-01-X-Q [mm] "Socket Strip Assembly, 4x8 Pins, Vertical, 2mm Pitch, Female"
  rect 1.5x1.5 hole 0.99: 1(0,0)
  round 1.5 hole 0.99: 2(0,-2) 3(0,-4) 4(0,-6) 5(2,0) 6(2,-2) 7(2,-4) 8(2,-6) 9(4,0) 10(4,-2) 11(4,-4) 12(4,-6) 13(6,0) 14(6,-2) 15(6,-4) 16(6,-6) 17(8,0) 18(8,-2) 19(8,-4) 20(8,-6) 21(10,0) 22(10,-2) 23(10,-4) 24(10,-6) 25(12,0) 26(12,-2) 27(12,-4) 28(12,-6) 29(14,0) 30(14,-2) 31(14,-4) 32(14,-6)
  silkscreen extent -1.28,-7.15 15.27,1.15, body extent -1.15,-7 15.15,1, height 6.35
SO4SW [mil]
  rect 80x24 smd: 1(0,0)
  oval 80x24 smd: 2(0,-50) 3(320,-50) 4(320,0)
  silkscreen extent -50,-97 370,46, body extent 0,-97 320,46, height 100
SOT-23-OT5_M [mm] "SOT23, 5-Leads, Body 2.9x1.7mm, Pitch 0.95mm, Lead Span 2.8mm, IPC Low Density"
  rect 1.3x0.7 smd: 1(-1.2,0.95) 2(-1.2,0) 3(-1.2,-0.95) 4(1.2,-0.95) 5(1.2,0.95)
  silkscreen extent -1.33,-1.55 0.15,1.97, body extent -0.9,-1.55 0.9,1.55, height 1.45
STM-LQFP100_M [mm] "Thin QFP, 100-Leads, Body 14x14mm, Pitch 0.5mm, IPC Low Density"
  oval 2.1x0.3 smd: 1(-7.6,6) 2(-7.6,5.5) 3(-7.6,5) 4(-7.6,4.5) 5(-7.6,4) 6(-7.6,3.5) 7(-7.6,3) 8(-7.6,2.5) 9(-7.6,2) 10(-7.6,1.5) 11(-7.6,1) 12(-7.6,0.5) 13(-7.6,0) 14(-7.6,-0.5) 15(-7.6,-1) 16(-7.6,-1.5) 17(-7.6,-2) 18(-7.6,-2.5) 19(-7.6,-3) 20(-7.6,-3.5) 21(-7.6,-4) 22(-7.6,-4.5) 23(-7.6,-5) 24(-7.6,-5.5) 25(-7.6,-6) 51(7.6,-6) 52(7.6,-5.5) 53(7.6,-5) 54(7.6,-4.5) 55(7.6,-4) 56(7.6,-3.5) 57(7.6,-3) 58(7.6,-2.5) 59(7.6,-2) 60(7.6,-1.5) 61(7.6,-1) 62(7.6,-0.5) 63(7.6,0) 64(7.6,0.5) 65(7.6,1) 66(7.6,1.5) 67(7.6,2) 68(7.6,2.5) 69(7.6,3) 70(7.6,3.5) 71(7.6,4) 72(7.6,4.5) 73(7.6,5) 74(7.6,5.5) 75(7.6,6)
  oval 0.3x2.1 smd: 26(-6,-7.6) 27(-5.5,-7.6) 28(-5,-7.6) 29(-4.5,-7.6) 30(-4,-7.6) 31(-3.5,-7.6) 32(-3,-7.6) 33(-2.5,-7.6) 34(-2,-7.6) 35(-1.5,-7.6) 36(-1,-7.6) 37(-0.5,-7.6) 38(0,-7.6) 39(0.5,-7.6) 40(1,-7.6) 41(1.5,-7.6) 42(2,-7.6) 43(2.5,-7.6) 44(3,-7.6) 45(3.5,-7.6) 46(4,-7.6) 47(4.5,-7.6) 48(5,-7.6) 49(5.5,-7.6) 50(6,-7.6) 76(6,7.6) 77(5.5,7.6) 78(5,7.6) 79(4.5,7.6) 80(4,7.6) 81(3.5,7.6) 82(3,7.6) 83(2.5,7.6) 84(2,7.6) 85(1.5,7.6) 86(1,7.6) 87(0.5,7.6) 88(0,7.6) 89(-0.5,7.6) 90(-1,7.6) 91(-1.5,7.6) 92(-2,7.6) 93(-2.5,7.6) 94(-3,7.6) 95(-3.5,7.6) 96(-4,7.6) 97(-4.5,7.6) 98(-5,7.6) 99(-5.5,7.6) 100(-6,7.6)
  silkscreen extent -7.72,-6.15 6.15,6.82, body extent -7,-7 7,7, height 1.6
TESTPOINT_035HOLE [mil]
  round 70 hole 35: 1(0,0)
USB_MICRO_B_SMT [mm] "Micro B SMT footprint (based on USB-IF recommended pattern)"
  rect 1.825x0.7 smd mask+0.07: 0(-3,1.7) 0(3,1.7)
  rect 2x1.4 smd mask+0.07: 0(-2.9,3.03) 0(2.9,3.03)
  oval 1.3x1.6 hole 0.66 slot 1.2 at 90 deg mask+0.07: 0(-2.725,0) 0(2.725,0)
  rrect50% 1.3x3.15 smd mask+0.07: 0(-2.725,0.475) 0(2.725,0.475)
  oval 1x1.4 hole 0.66 slot 1.05 at 90 deg mask+0.07: 0(-2.425,3.03) 0(2.425,3.03)
  rect 1.425x2.5 smd mask+0.07: 0(-0.975,-0.25) 0(0.975,-0.25)
  rect 0.4x1.75 smd mask+0.07: 1(-1.3,2.825) 2(-0.65,2.825) 3(0,2.825) 4(0.65,2.825) 5(1.3,2.825)
  silkscreen extent -3.4,-1.7 3.3,-1.7, body extent -4.02,-2.75 4.02,3.28, height 2.85
VSON14 [mm]
  rrect54% 0.26x0.79 smd: 1(-1.5,-1.47) 2(-1,-1.47) 3(-0.5,-1.47) 4(0,-1.47) 5(0.5,-1.47) 6(1,-1.47) 7(1.5,-1.47) 8(1.5,1.47) 9(1,1.47) 10(0.5,1.47) 11(0,1.47) 12(-0.5,1.47) 13(-1,1.47) 14(-1.5,1.47)
  rect 3.5x1.75 smd paste-2.5 mask+0: 15(0,0)
  silkscreen extent -2.05,-1.55 2.05,1.55, body extent -1.5,-1.53 1.5,1.47, height 0.95

## Part data
C1 C39 C42 C43 C53 C60: library part CMP-1036-04730-1, "CAP 1uF 6.3V ±5% 0805 (2012 Metric) Thickness 1mm SMD"
C2 C5 C6 C7 C9 C11 C12 C13 C17 C18 C22 C24 C25 C31 C38 C40 C41 C44 C52 C59 C67 C69: library part CMP-1036-04391-1, "CAP 100nF 6.3V ±10% 0805 (2012 Metric) Thickness 1mm SMD"
C3: library part CMP-1036-04520-1, "CAP 220nF 6.3V ±20% 0805 (2012 Metric) Thickness 1mm SMD"
C4 C8: library part CMP-1036-04821-1, "CAP 2.2uF 6.3V ±20% 0805 (2012 Metric) Thickness 1mm SMD"
C10 C16 C19 C23 C26 C29: library part CMP-1036-04174-1, "CAP 33nF 50V -20% to +80% 0805 (2012 Metric) Thickness 1mm SMD"
C14 C15 C20 C21 C27 C28: library part CMP-0687-00070-1, "Aluminum Electrolytic Capacitor, UD Series, Low Impedance, 470 uF, 10 V, + / - 20%, -55 to 105 degC, Chip Type, 8 x 10 mm D x L, Pb-Free, Reel"
C30: library part CMP-1036-04917-1, "CAP 10uF 6.3V ±10% 0805 (2012 Metric) Thickness 1mm SMD"
C32 C33: library part CMP-1036-04946-1, "CAP 22uF 16V ±20% 0805 (2012 Metric) Thickness 1.45mm SMD"
C34: library part CMP-1036-04411-1, "CAP 100nF 25V ±10% 0805 (2012 Metric) Thickness 1mm SMD"
C35 C37 C68: library part CMP-1036-04920-1, "CAP 10uF 6.3V ±20% 0805 (2012 Metric) Thickness 1mm SMD"
C36: library part CMP-1036-00526-1, "CAP 4.7pF 10V ±0.25pF 0805 (2012 Metric) Thickness 1mm SMD"
C45 C50 C51 C54 C56 C57 C58 C64 C66: library part CMP-1036-04392-1, "CAP 100nF 6.3V ±20% 0805 (2012 Metric) Thickness 1mm SMD"
C46 C48 C49 C55 C61 C62 C63 C65: library part CMP-1036-04734-1, "CAP 1uF 6.3V ±20% 0805 (2012 Metric) Thickness 1mm SMD"
C47: library part CMP-1036-04879-1, "CAP 4.7uF 6.3V ±20% 0805 (2012 Metric) Thickness 1mm SMD"
D1: library part CMP-1183-00008-2, "Silicon Schottky Diode, -55 to 85 degC, SOD323, Reel, Green"
FB1: library part CMP-0686-00749-2, "Chip Ferrite Bead for Power Lines, 75 Ohm, 3500 mA, -55 to 125 degC, 4.5 x 1.6 x 1.8 mm SMD, Tape and Reel"
J1 J2 J3 J4 J5 J6 J7 J8: library part CON_HRS_DF13-3P-1.25DS(20), "CONN HEADER 3POS 1.25MM R/A THT TIN"
J9 J11 J14 J15: library part CON_HRS_DF13-2P-1.25DS(20), "CONN HEADER 2POS 1.25MM R/A THT TIN"
J10 J12 J13 J16 J17 J18: library part CON_HRS_DF13-5P-1.25DS(20), "CONN HEADER 5POS 1.25MM R/A THT TIN"
J20: library part CMP-1021-00092-1, "Cost-Effective Rugged Socket, Through-hole, Vertical, -55 to 125 degC, 2 mm Pitch, 32-Pin, Female, RoHS"
K1: "JMPR2 2MM OPEN BY DEFAULT"
L1: library part SHIELDED_INDUCTOR
LED1 LED4: library part LED_0402_VLMS1500-GS08, "LED RED 0402 SMD"
LED2 LED3: library part LED_0402_VLMG1500-GS08, "LED GREEN 0402 SMD"
P1 P2 P3 P4 P5 P6 P7 P8: "Header"
Q1 Q2 Q3 Q4 Q5 Q6 Q7 Q8 Q9 Q10 Q11 Q12: library part CMP-1048-00631-1, "General Purpose Transistor, NPN Silicon, 3-Pin SOT-23, Pb-Free, Tape and Reel"
Q13 Q14: library part CMP-1058-00762-1, "Power MOSFET Single P-Channel, -50 V, 10 Ohm, 3-Pin SOT-23, Pb-Free, Tape and Reel"
R1 R2 R3 R4 R5 R6 R7 R8: library part CMP-1013-00659-1, "22K 0.125W 1% 0805 (2012 Metric)  SMD"
R9 R10 R11 R12 R13 R14 R15 R16 R17 R18 R21 R22 R23 R24 R25 R26 R27 R28 R31 R32 R33 R35 R36 R37 R38 R40 R43 R44 R47 R48 R49 R53 R54 R55 R56 R58 R62 R63 R64 R65 R66 R67 R68 R69 R71 R72 R73 R74 R75 R76 R78 R79 R80 R81 R83 R84 R85 R86 R87 R88 R89 R90 R91 R92 R93 R94 R95 R96 R97 R98 R99 R100 R101 R102 R103 R104 R105 R106 R110 R111 R112 R121 R122 R123 R124 R125 R126 R127 R128 R129 R130 R131 R132 R133 R134 R135 R136: library part CMP-1013-00623-1, "10K 0.125W 1% 0805 (2012 Metric)  SMD"
R19 R20 R30 R34 R39 R42 R45 R46 R51 R52 R57 R60 R61 R70 R77 R82: library part CMP-1013-00567-1, "3K3 0.125W 1% 0805 (2012 Metric)  SMD"
R29 R41 R50 R59 R113 R116 R118 R120: library part CMP-1013-00433-1, "220R 0.125W 1% 0805 (2012 Metric)  SMD"
R107: library part CMP-1013-00645-1
R108: library part CMP-1013-00118-1, "68K 0.125W 5% 0805 (2012 Metric)  SMD"
R109: library part CMP-1013-00645-1, "10K 0.125W 1% 0805 (2012 Metric)  SMD"
R114 R115 R117 R119: library part CMP-1013-00001-1, "Jumper 0805 (2012 Metric)"
S1: "2 POLE DIP SWITCH SMD"
SW1: library part "SW_KMR211G LFS", "SWITCH TACTILE SPST-NO 0.05A 32V"
TP1: library part TESTPOINTHOLE035
U1: library part CMP-0243-00014-3, "ARM Cortex-M4 32-bit MCU+FPU, 210 DMIPS, 1024 kB Flash, 192 kB Internal RAM, 82 I/Os, 100-pin LQFP, -40 to 85 degC, Tray"
U2: library part IC_MPU-6000, "GYRO/ACCELEROMETER 6AXIS 24QFN I2C/SPI"
U3: library part RF_KNRF51822_B40, "BLE / MULTI-PROTOCOL 2.4GHz RF MODULE"
U4: library part 74LVC04A
U5 U6 U7: library part 74LVC08A
U8 U9 U10 U11 U12 U13: "5A Throttle Control H-Bridge"
U14 U15: library part CMP-0791-00060-1, "Low Voltage 1.15 V to 5.5 V, 8-Channel Bidirectional Logic Level Translator, -40 to 85 degC, 20-pin SOP (RU-20), Tube"
U16: library part CMP-0326-00066-2, "Low-Capacitance + / - 15-kV ESD Protection Array for High-Speed Data Interfaces, 4 Channels, -40 to +85 degC, 6-pin SOT70 (DCK), Green (RoHS & no Sb/Br)"
U17: library part CMP-0133-00139-1, "Simple, Miniature Single-Cell, Fully Integrated Li-Ion/Li-Polymer Charge Management Controller, 4.2V, 5-Pin SOT-23, Industrial Temperature, Tape and Reel"
Y1: library part OSC_MEMS_8.000MHZ, "OSC CMEMS 8.000MHZ LVCMOS SMD"

## Via types
v1: diameter 19.68, hole 7.87, Component Side to Solder Side, tented both sides, 564 vias
v2: diameter 24, hole 8, Component Side to Solder Side, 9 vias

## Nets (pads, with @x,y where several pads share a name; then routed paths per layer and width w, separated by ;. In a path a pad name is that pad's centre, name@x,y a point inside that pad or via, vN(x,y) a via of type N, cw(c..) or ccw(c..) an arc to the next point about the centre after c; other vN are vias at no path point)
+1V8: C38.2 C39.2 J20.3 U14.2 U14.10 U15.2 U15.10 | length 361.6
  Component Side w10: v1(1998.03,1377.95) 1999.02,1378.94 U14.2@1999.02,1422.24 ; U14.10@2203.74,1422.24 2203.74,1378.94 v1(2204.72,1377.95) ; v1(2332.68,1377.95) 2333.66,1378.94 U15.2@2333.66,1422.24 ; U15.10@2538.39,1422.24 2538.39,1378.94 v1(2539.37,1377.95)
  Component Side w30: C38.2@1801.18,1169.29 C39.2@1870.08,1169.29 1931.1,1169.29 J20.3@1968.5,1131.89